# Altium PCB MAIN_BOARD.PcbDoc (part 4 of 4) (continued)
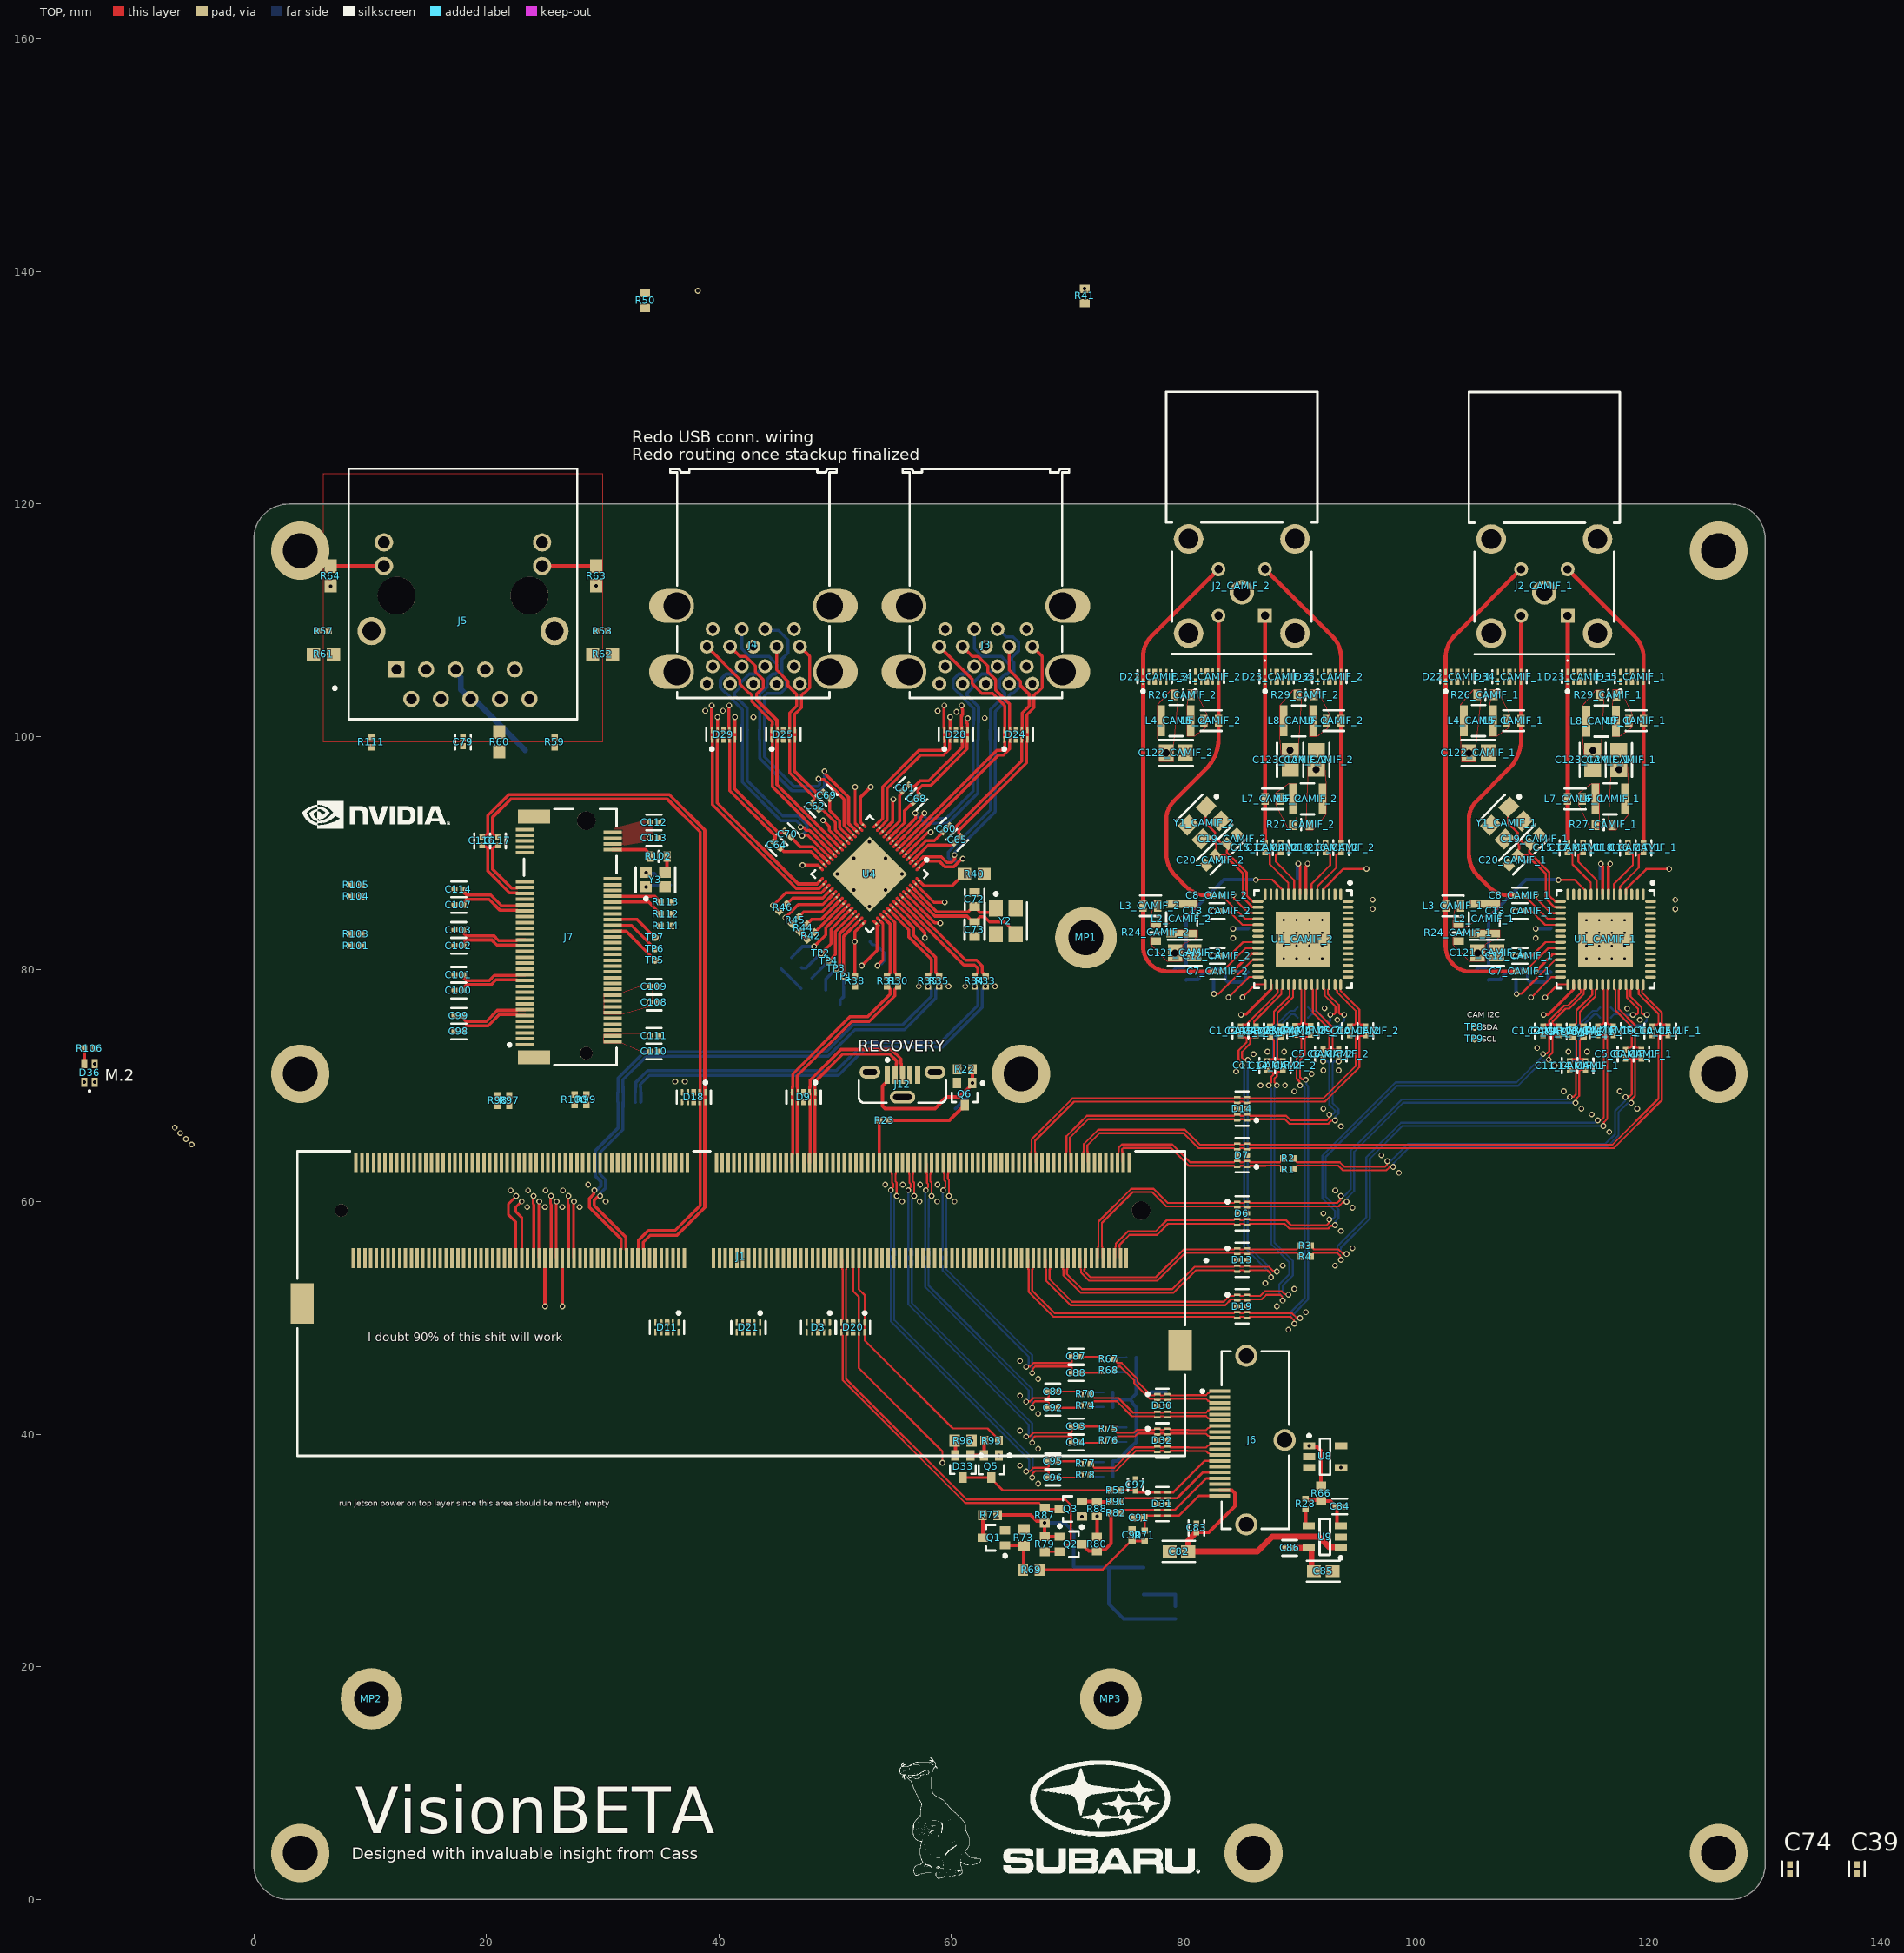
[diagram p0: TOP view]
## Nets (pads, with @x,y where several pads share a name; then routed paths per layer and width w, separated by ;. In a path a pad name is that pad's centre, name@x,y a point inside that pad or via, vN(x,y) a via of type N, cw(c..) or ccw(c..) an arc to the next point about the centre after c; other vN are vias at no path point) (continued)
USB2_TX_N: C62.2 D25.4 D25.7 J4.A8 | length 15.4
  TOP w0.266: J4.A8@44.975,107.747 44.975,105.727 45.932,104.771 45.932,104.409 46.71,103.631 46.71,102.647 46.103,102.04 46.103,101.043 46.083,101.023 46.083,100.628 D25.7@46.05,100.594 D25.4@46.05,99.759 46.083,99.726 46.083,99.331 46.103,99.311 46.103,96.884 48.189,94.798 48.189,94.577 48.036,94.424 48.036,94.279 C62.2@48.06,94.255
USB2_TX_P: C69.2 D25.5 D25.6 J4.A9 | length 15.1
  TOP w0.266: J4.A9@46.975,107.747 47.81,106.912 47.81,104.201 47.321,103.712 47.259,103.712 47.103,103.556 47.103,102.484 46.497,101.877 46.497,101.043 46.517,101.023 46.517,100.628 D25.6@46.55,100.594 D25.5@46.55,99.759 46.517,99.726 46.517,99.331 46.497,99.311 46.497,97.047 48.467,95.076 48.688,95.076 48.841,95.229 48.986,95.229 C69.2@49.01,95.205
USB2UP_N: R30.2 U4.46 | length 5.8
  TOP w0.266: U4.46@54.397,84.774 54.397,84.77 55.147,84.021 55.147,79.705 R30.2@55.425,79.427
USB2UP_P: R31.2 U4.45 | length 5.4
  TOP w0.266: U4.45@54.115,84.492 54.119,84.492 54.753,83.858 54.753,79.705 R31.2@54.475,79.427
USB3_RX_N: D29.1 D29.10 J4.B5 U4.30 | length 23.9
  TOP w0.266: v1(39.393,102.677) 39.36,102.644 39.36,100.751 39.4,100.71 39.4,99.813 39.453,99.759 39.453,94.149 46.663,86.939 48.621,86.939 49.002,87.32 U4.30@49.007,87.32
  GND/INT_SIG_1 w0.179: J4.B5@38.975,104.547 39.154,104.547 39.822,103.879 39.822,102.98 39.822,102.832 39.718,102.727 39.444,102.727 v1(39.393,102.677)
USB3_RX_P: D29.2 D29.9 J4.B6 U4.29 | length 22.7
  TOP w0.266: v1(39.893,101.677) 39.896,101.673 39.896,100.598 D29.9@39.9,100.594 39.9,99.813 39.847,99.759 39.847,94.312 46.826,87.332 48.458,87.332 48.724,87.598 U4.29@48.724,87.603
  GND/INT_SIG_1 w0.179: v1(39.893,101.677) 39.843,101.727 39.843,102.421 40.128,102.705 40.128,103.107 40.128,103.879 40.796,104.547 J4.B6@40.975,104.547
USB3_TX_N: C64.2 D29.4 D29.7 J4.B8 | length 20
  TOP w0.266: v1(40.893,102.677) 40.86,102.644 40.86,100.751 40.9,100.71 40.9,99.813 40.953,99.759 40.953,95.357 44.847,91.463 44.847,91.242 44.695,91.09 44.695,90.944 C64.2@44.718,90.92
  GND/INT_SIG_1 w0.179: v1(40.893,102.677) 40.967,102.677 41.158,102.486 41.306,102.486 41.457,102.637 44.616,102.637 45.636,103.657 45.636,103.736 45.637,103.737 45.637,103.885 J4.B8@44.975,104.547
USB3_TX_P: C70.2 D29.5 D29.6 J4.B9 | length 19.4
  TOP w0.266: v1(41.393,101.677) 41.396,101.673 41.396,100.598 D29.6@41.4,100.594 41.4,99.813 41.347,99.759 41.347,95.52 45.126,91.741 45.346,91.741 45.499,91.894 45.645,91.894 C70.2@45.668,91.87
  GND/INT_SIG_1 w0.179: v1(41.393,101.677) 41.343,101.727 41.343,102.09 41.584,102.331 44.742,102.331 46.699,104.288 46.699,104.547 J4.B9@46.975,104.547
USB3UP_RX_N: R33.2 U4.51 | length 10.3
  TOP w0.266: U4.51@55.803,86.197 55.803,86.192 61.234,80.761 62.158,80.761 62.672,80.248 62.672,79.705 R33.2@62.95,79.427
USB3UP_RX_P: R34.2 U4.50 | length 9.9
  TOP w0.266: U4.50@55.521,85.914 55.525,85.914 61.071,80.368 61.995,80.368 62.278,80.085 62.278,79.705 R34.2@62,79.427
USB3UP_TX_N: C39.1 U4.48 | length 7.6
  TOP w0.266: U4.48@54.963,85.34 54.963,85.336 56.736,83.563 56.736,82.937 58.672,81.001 58.672,79.705 58.95,79.427
USB3UP_TX_P: C74.1 U4.47 | length 7.2
  TOP w0.266: U4.47@54.68,85.057 54.685,85.057 56.342,83.4 56.342,82.774 58.278,80.838 58.278,79.705 58,79.427
USB_1V2: C44.2 C45.2 C46.2 C47.2 C48.2 C50.2 C51.2 C54.2 C77.1 U4.5 U4.12 U4.15 U4.21 U4.28 U4.33 U4.43 U4.49 U7.2 U7.4 | length 66.5
  TOP w0.266: v1(45.716,84.433) 46.834,85.552 48.936,85.552 U4.33@49.855,86.472 ; v1(47.2,88.952) 48.523,88.952 U4.28@48.732,88.743 ; v1(48.975,92.802) 48.984,92.802 49.5,92.286 49.5,91.935 U4.21@50.704,90.731 ; v1(52.3,80.31) 53.626,81.636 53.626,83.849 U4.43@53.549,83.926 ; U4.15@52.401,92.428 52.175,92.654 52.175,94.765 v1(53.075,95.665) ; U4.12@54.106,91.854 54.972,92.72 54.972,94.557 v1(55.017,94.602) ; U4.49@55.246,85.623 57.725,83.144 v1(57.725,82.702) ; U4.5@56.095,89.882 57.945,91.732 58.18,91.732 v1(58.225,91.777)
  GND/INT_SIG_2 w0.5: v1(45.716,84.433) 45.716,87.468 v1(47.2,88.952) 48.975,90.727 v1(48.975,92.802) 53.525,92.802 55.017,94.293 ; v1(52.3,80.31) 54.692,82.702 v1(57.725,82.702) 58.225,83.202 v1(58.225,91.777) 57.225,91.777 55.017,93.985 55.017,94.293 ; v1(53.075,95.665) 53.953,95.665 v1(55.017,94.602) 55.017,94.293
USB_ATEST: R39.2 U4.52 | length 4
  TOP w0.266: U4.52@56.086,86.48 58.57,83.997 59.005,83.997 v1(59.05,83.952)
USB_CFG_CHG_EN: R49.1 TP3.1 U4.40 | length 7.4
  TOP w0.266: v1(50.1,80.052) 50.1,80.093 50.382,80.375 50.382,83.038 U4.40@51.844,84.5
  BOTTOM w0.266: R49.1@49.196,78.198 49.194,78.2 49.194,78.688 49.196,78.69 49.196,79.148 v1(50.1,80.052)
USB_CFG_NON_REM: R47.2 TP1.1 U4.41 | length 8
  TOP w0.266: v1(50.75,79.402) 50.75,82.841 U4.41@52.126,84.217
  BOTTOM w0.266: R47.2@50.446,76.948 50.446,77.346 50.75,77.649 v1(50.75,79.402)
USB_nRESET: R37.1 R38.1 U4.42 | length 4.8
  TOP w0.266: R38.1@51.7,79.402 51.7,83.225 U4.42@52.409,83.934
  other v1: 51.7,82.377
USB_nRST: R38.2
USB_PRT_CTL1: R42.1 U4.36 | length 3.5
  TOP w0.266: R42.1@48.247,83.182 48.263,83.182 U4.36@50.712,85.631
USB_PRT_CTL2: R44.1 U4.35 | length 3.7
  TOP w0.266: R44.1@47.579,83.864 48.017,84.302 48.817,84.302 U4.35@50.421,85.906
USB_PRT_CTL3: R45.1 U4.34 | length 3.9
  TOP w0.266: R45.1@46.904,84.539 47.293,84.928 48.877,84.928 U4.34@50.138,86.189
USB_PRT_CTL4: R46.1 U4.32 | length 4.2
  TOP w0.266: R46.1@45.836,85.604 46.359,86.127 48.945,86.127 U4.32@49.573,86.754
USB_RBIAS: R40.1 U4.56 | length 4.5
  TOP w0.266: U4.56@57.218,87.611 57.652,87.177 60.075,87.177 61.075,88.177 R40.1@61.125,88.177
USB_SPI_MISO: R51.1 TP4.1 U4.39 | length 7
  TOP w0.266: v1(49.45,80.702) 50.014,81.266 50.014,83.236 U4.39@51.561,84.783
  BOTTOM w0.266: R51.1@48,79.252 v1(49.45,80.702)
USB_SPI_SCLK: R48.1 TP2.1 U4.38 | length 7
  TOP w0.266: v1(48.8,81.352) 49.646,82.198 49.646,83.433 U4.38@51.278,85.066
  BOTTOM w0.266: R48.1@47.125,80.127 47.16,80.092 47.502,80.092 48.763,81.352 v1(48.8,81.352)
USBH0_D_N: D26.1 D26.10 J3.A2 U4.2 | length 27.8
  TOP w0.266: U4.2@56.943,89.034 56.948,89.034 57.589,89.674 59.132,89.674 59.613,89.194 60.047,89.194 60.285,89.431 60.285,89.817 v1(60.275,89.827)
  BOTTOM w0.266: v1(60.275,89.827) 60.32,89.872 60.32,90.089 63.772,93.541 63.772,99.311 63.792,99.331 63.792,99.726 D26.1@63.825,99.759 D26.10@63.825,100.594 63.792,100.628 63.792,101.023 63.772,101.043 63.772,102.163 64.976,103.367 64.976,103.556 65.132,103.712 65.321,103.712 65.81,104.201 65.81,104.893 65.378,105.325 65.378,106.381 65.194,106.565 65.194,106.785 65.81,107.401 65.81,108.093 65.321,108.582 64.724,108.582 64.058,109.247 J3.A2@63.975,109.247
USBH0_D_P: D26.2 D26.9 J3.A3 U4.1 | length 30.5
  TOP w0.266: U4.1@57.226,88.751 57.226,88.755 57.751,89.281 58.969,89.281 59.45,88.8 60.21,88.8 60.686,89.276 60.912,89.502 v1(60.975,89.502)
  BOTTOM w0.266: v1(60.975,89.502) 60.912,89.502 60.704,89.294 60.054,89.294 59.742,89.606 59.742,90.068 63.378,93.704 63.378,99.311 63.358,99.331 63.358,99.726 D26.2@63.325,99.759 D26.9@63.325,100.594 63.358,100.628 63.358,101.023 63.378,101.043 63.378,102.326 64.582,103.53 64.582,103.759 64.14,104.201 64.14,104.893 64.629,105.382 64.828,105.382 64.985,105.538 64.985,106.218 64.801,106.402 64.801,106.409 64.297,106.912 62.629,106.912 61.975,107.566 J3.A3@61.975,109.247
USBH1_D_N: D26.4 D26.7 J3.B2 U4.9 | length 22.9
  TOP w0.266: U4.9@54.955,91.005 55.037,91.088 55.043,91.088 56.664,92.709 56.948,92.993 56.948,93.214 56.945,93.217 56.945,93.382 v1(56.9,93.427)
  BOTTOM w0.266: v1(56.9,93.427) 56.9,93.364 57.714,92.55 59.681,92.55 62.272,95.14 62.272,99.311 62.292,99.331 62.292,99.726 D26.4@62.325,99.759 D26.7@62.325,100.594 62.308,100.611 62.308,101.173 62.339,101.204 62.339,102.558 61.364,103.534 61.364,103.755 61.81,104.201 61.81,104.562 62.629,105.382 63.226,105.382 63.892,106.047 J3.B2@63.975,106.047
USBH1_D_P: D26.5 D26.6 J3.B3 U4.8 | length 22
  TOP w0.266: U4.8@55.24,90.722 55.24,90.729 56.827,92.315 57.342,92.83 57.342,93.017 57.688,93.364 v1(57.688,93.427)
  BOTTOM w0.266: v1(57.688,93.427) 57.733,93.382 57.733,93.113 57.903,92.943 59.518,92.943 61.878,95.303 61.878,99.311 61.858,99.331 61.858,99.726 D26.5@61.825,99.759 D26.6@61.825,100.594 61.858,100.628 61.858,101.023 61.915,101.079 61.915,101.336 61.946,101.367 61.946,102.395 60.97,103.371 60.97,103.432 60.691,103.712 60.629,103.712 60.14,104.201 60.14,104.893 60.629,105.382 61.226,105.382 61.892,106.047 J3.B3@61.975,106.047
USBH2_D_N: D27.1 D27.10 J4.A2 U4.18 | length 27
  TOP w0.266: v1(48.569,96.377) 48.613,96.332 49.052,96.332 50.768,94.617 50.768,92.369 51.553,91.584 U4.18@51.553,91.579
  BOTTOM w0.266: J4.A2@43.975,109.247 44.075,109.147 45.128,109.147 45.95,108.325 45.95,107.2 45.41,106.66 45.41,105.931 45.42,105.921 45.42,105.283 45.81,104.893 45.81,104.201 45.321,103.712 44.629,103.712 44.624,103.717 44.152,103.717 43.922,103.487 43.922,101.043 43.942,101.023 43.942,100.628 D27.10@43.975,100.594 D27.1@43.975,99.759 43.942,99.726 43.942,98.258 46.473,95.727 48.52,95.727 48.676,95.883 48.676,96.104 48.613,96.167 48.613,96.332 v1(48.569,96.377)
USBH2_D_P: D27.2 D27.9 J4.A3 U4.17 | length 28.3
  TOP w0.266: 49.216,96.757 49.216,96.725 51.161,94.779 51.161,92.532 51.831,91.862 U4.17@51.835,91.862
  BOTTOM w0.266: J4.A3@41.975,109.247 41.975,107.566 42.629,106.912 44.297,106.912 44.801,106.409 44.801,106.402 45.016,106.186 45.016,105.768 45.026,105.759 45.026,105.538 44.87,105.382 44.629,105.382 44.14,104.893 44.14,104.262 43.528,103.65 43.528,101.043 43.508,101.023 43.508,100.628 D27.9@43.475,100.594 D27.2@43.475,99.759 43.508,99.726 43.508,98.202 43.548,98.161 43.548,98.095 46.31,95.334 48.683,95.334 49.102,95.752 49.102,97.025 v1(49.1,97.027)
USBH3_D_N: D27.4 D27.7 J4.B2 U4.25 | length 22.9
  TOP w0.266: v1(47.168,91.467) 47.212,91.512 47.377,91.512 47.411,91.545 47.632,91.545 49.581,89.596 U4.25@49.581,89.591
  BOTTOM w0.266: J4.B2@43.975,106.047 43.892,106.047 43.226,105.382 42.629,105.382 41.81,104.562 41.81,104.201 41.364,103.755 41.364,103.534 42.422,102.476 42.422,101.043 42.442,101.023 42.442,100.628 D27.7@42.475,100.594 42.442,100.561 42.442,99.912 42.422,99.892 42.422,99.759 42.422,96.253 45.5,93.175 46.833,93.175 47.578,92.431 47.578,91.94 47.168,91.53 v1(47.168,91.467)
USBH3_D_P: D27.5 D27.6 J4.B3 U4.24 | length 22.5
  TOP w0.266: v1(47.045,92.21) 47.089,92.165 47.287,92.165 47.513,91.938 47.795,91.938 49.859,89.874 U4.24@49.864,89.874
  BOTTOM w0.266: J4.B3@41.975,106.047 41.892,106.047 41.226,105.382 40.629,105.382 40.14,104.893 40.14,104.201 40.629,103.712 40.691,103.712 40.97,103.432 40.97,103.371 42.028,102.313 42.028,101.043 42.008,101.023 42.008,100.628 D27.6@41.975,100.594 42.008,100.561 42.008,99.912 42.028,99.892 42.028,99.759 42.028,96.09 45.337,92.782 46.67,92.782 47,92.452 47,92.254 v1(47.045,92.21)
USBSS0_RX_N: D16.1 D16.10 J1.161 R33.1 | length 35.7
  BOTTOM w0.266: D16.1@33.267,68.549 D16.1@33.3,68.582 D16.10@33.3,69.417 33.267,69.451 33.267,69.846 33.247,69.866 33.247,70.087 34.035,70.875 50.281,70.875 52.721,73.314 59.252,73.314 62.672,76.734 62.672,78.249 v1(62.95,78.527)
USBSS0_RX_P: D16.2 D16.9 J1.163 R34.1 | length 35.7
  BOTTOM w0.266: D16.2@32.833,68.549 D16.2@32.8,68.582 D16.9@32.8,69.417 32.833,69.451 32.833,69.846 32.853,69.866 32.853,70.25 33.872,71.268 50.118,71.268 52.558,73.708 59.089,73.708 62.278,76.897 62.278,78.249 v1(62,78.527)
USBSS0_TX_N: D16.4 D16.7 J1.166 R35.1 | length 48.8
  TOP w0.266: v1@29.649,60.419 29.573,60.419 29.279,60.125 29.279,59.677 31.997,56.96 31.997,55.928 32.05,55.875 J1.166@32.05,55.15
  BOTTOM w0.266: v1(29.8,60.5) 29.845,60.545 29.845,60.766 30.252,61.174 30.252,61.9 29.769,62.383 29.769,64.222 31.747,66.2 31.747,68.134 31.767,68.154 31.767,68.549 D16.4@31.8,68.582 D16.7@31.8,69.417 31.767,69.451 31.767,69.846 31.747,69.866 31.747,70.49 33.756,72.5 49.4,72.5 51.703,74.803 55.963,74.803 58.672,77.512 58.672,78.249 v1(58.95,78.527)
USBSS0_TX_P: D16.5 D16.6 J1.168 R36.1 | length 48.8
  TOP w0.266: 29.255,60.734 29.255,60.658 28.886,60.288 28.886,59.514 31.603,56.797 31.603,55.928 31.55,55.875 J1.168@31.55,55.15
  BOTTOM w0.266: v1(29.3,61) 29.345,61.045 29.566,61.045 29.859,61.337 29.859,61.737 29.376,62.22 29.376,64.385 31.353,66.363 31.353,68.134 31.333,68.154 31.333,68.549 D16.5@31.3,68.582 D16.6@31.3,69.417 31.333,69.451 31.333,69.846 31.353,69.866 31.353,70.653 33.593,72.893 49.237,72.893 51.54,75.196 55.8,75.196 58.278,77.675 58.278,78.249 v1(58,78.527)
VBUS_1: C49.1 C52.2 C53.2 J3.A1 J3.B1 U5.1
VBUS_2: C63.1 C66.2 C67.2 J4.A1 J4.B1 U6.1
VBUS_DET: R32.1 U4.37 | length 6.9
  TOP w0.266: v1(48.2,81.952) 49.2,82.952 49.2,83.553 U4.37@50.995,85.348
  BOTTOM w0.266: R32.1@46.25,81.002 47.2,81.952 v1(48.2,81.952)
VBUS_DETECT: J1.87 R23.2 | length 3.7
  TOP w0.266: J1.87@53.8,63.35 R23.2@53.8,67
VDD_3V3_HDMI: Q3.1 Q4.1 Q5.1 R66.2 R95.2 R96.2 U8.1 | length 40.9
  TOP w0.3: v1(90.775,39.025) 90.918,38.882 91.493,38.882 91.795,38.58 R66.2@91.795,35.55
  GND/INT_SIG_1 w0.3: v1(61.746,39.454) 62.821,39.454 v1(64.096,38.179) 64.096,36.304 67.475,32.925 v1(71.225,32.925) 72.25,33.95 85.7,33.95 v1(90.775,39.025)
  BOTTOM w0.3: Q4.1@77.162,43.625 77.175,43.638 78.47,43.638 R95.2@78.483,43.65
VDD_5V_HDMI: C82.1 C83.2 J6.18 R80.2 R88.2 U9.1 | length 24.8
  TOP w0.3: R80.2@72.525,31.175 v1(72.525,32.95) ; C83.2@81.075,31.583 82.158,31.583 84.4,33.825 84.4,34.949 84.139,35.21 J6.18@83.07,35.21
  TOP w0.5: C82.1@80.375,29.726 80.38,29.731 C82.1@80.38,29.925 ; C82.1@80.375,29.925 C82.1@80.38,29.925 ; C83.2@81.075,31.583 80.38,30.888 C82.1@80.38,29.925 ; U9.1@93.5,30.225 93.45,30.275 92.525,30.275 91.6,31.2 87.6,31.2 86.325,29.925 C82.1@80.38,29.925
X25_CAMIF_1_N: C20_CAMIF_1.1 U1_CAMIF_1.16 Y1_CAMIF_1.3 | length 9.2
  TOP w0.2: Y1_CAMIF_1.3@107.592,91.188 107.607,91.204 108.315,91.204 108.828,90.69 108.828,90.347 108.715,90.233 108.715,89.845 C20_CAMIF_1.1@108.768,89.792 108.821,89.739 109.21,89.739 109.318,89.846 109.484,89.846 111.119,88.211 111.119,86.117 111.909,85.327 112.384,85.327 U1_CAMIF_1.16@112.394,85.317
X25_CAMIF_1_P: C19_CAMIF_1.1 U1_CAMIF_1.15 Y1_CAMIF_1.1 | length 10.7
  TOP w0.2: Y1_CAMIF_1.1@107.946,93.946 107.875,93.875 107.875,92.579 108.715,91.738 108.715,91.319 109.214,90.821 109.717,90.821 C19_CAMIF_1.1@109.77,90.768 109.823,90.715 109.823,90.326 109.71,90.213 109.71,90.047 111.421,88.336 111.421,86.332 111.926,85.827 112.384,85.827 U1_CAMIF_1.15@112.394,85.817
X25_CAMIF_2_N: C20_CAMIF_2.1 U1_CAMIF_2.16 Y1_CAMIF_2.3 | length 9.2
  TOP w0.2: Y1_CAMIF_2.3@81.568,91.196 81.583,91.211 82.29,91.211 82.804,90.698 82.804,90.354 82.691,90.241 82.691,89.852 C20_CAMIF_2.1@82.744,89.799 82.797,89.746 83.186,89.746 83.294,89.854 83.46,89.854 85.095,88.219 85.095,86.125 85.885,85.335 86.36,85.335 U1_CAMIF_2.16@86.37,85.325
X25_CAMIF_2_P: C19_CAMIF_2.1 U1_CAMIF_2.15 Y1_CAMIF_2.1 | length 10.7
  TOP w0.2: Y1_CAMIF_2.1@81.921,93.954 81.851,93.883 81.851,92.586 82.691,91.746 82.691,91.327 83.189,90.829 83.692,90.829 C19_CAMIF_2.1@83.745,90.776 83.798,90.723 83.798,90.334 83.685,90.221 83.685,90.055 85.396,88.344 85.396,86.34 85.901,85.835 86.36,85.835 U1_CAMIF_2.15@86.37,85.825
X25_N: C73.1 U4.53 Y2.3 | length 11.3
  TOP w0.266: U4.53@56.369,86.763 56.392,86.763 58.587,84.568 60.685,84.568 61.357,84.568 61.925,84 62.075,84 62.317,84.242 62.317,84.36 62.473,84.516 62.833,84.516 63.297,84.052 64.606,84.052 65.533,83.125 Y2.3@65.533,83.025
X25_P: C72.1 U4.54 Y2.1 | length 8.7
  TOP w0.266: U4.54@56.652,87.045 56.726,86.971 56.726,86.949 58.739,84.936 60.838,84.936 61.461,84.936 61.925,85.4 62.075,85.4 62.317,85.158 62.317,85.04 62.473,84.884 62.986,84.884 62.989,84.881 63.488,84.881 Y2.1@63.833,85.225
XRES_CAMIF_1: R20_CAMIF_1.2 U1_CAMIF_1.17 | length 2.9
  TOP w0.168: v1(110.269,86.367) 110.333,86.304 110.333,86.079 111.594,84.817 U1_CAMIF_1.17@112.394,84.817
XRES_CAMIF_2: R20_CAMIF_2.2 U1_CAMIF_2.17 | length 2.9
  TOP w0.168: v1(84.245,86.375) 84.308,86.311 84.308,86.086 85.57,84.825 U1_CAMIF_2.17@86.37,84.825
pads on no net: D22_CAMIF_1.2 D22_CAMIF_1.4 D22_CAMIF_1.7 D22_CAMIF_1.9 D22_CAMIF_2.2 D22_CAMIF_2.4 D22_CAMIF_2.7 D22_CAMIF_2.9 D23_CAMIF_1.2 D23_CAMIF_1.4 D23_CAMIF_1.5 D23_CAMIF_1.6 D23_CAMIF_1.7 D23_CAMIF_1.9 D23_CAMIF_2.2 D23_CAMIF_2.4 D23_CAMIF_2.5 D23_CAMIF_2.6 D23_CAMIF_2.7 D23_CAMIF_2.9 D34_CAMIF_1.1 D34_CAMIF_1.2 D34_CAMIF_1.4 D34_CAMIF_1.7 D34_CAMIF_1.9 D34_CAMIF_1.10 D34_CAMIF_2.1 D34_CAMIF_2.2 D34_CAMIF_2.4 D34_CAMIF_2.7 D34_CAMIF_2.9 D34_CAMIF_2.10 D35_CAMIF_1.1 D35_CAMIF_1.2 D35_CAMIF_1.4 D35_CAMIF_1.7 D35_CAMIF_1.9 D35_CAMIF_1.10 D35_CAMIF_2.1 D35_CAMIF_2.2 D35_CAMIF_2.4 D35_CAMIF_2.7 D35_CAMIF_2.9 D35_CAMIF_2.10 J1. J1.9 J1.11 J1.27 J1.29 J1.39 J1.40 J1.41 J1.42 J1.45 J1.46 J1.47 J1.48 J1.51 J1.52 J1.53 J1.54 J1.57 J1.58 J1.59 J1.60 J1.64 J1.66 J1.70 J1.72 J1.76 J1.78 J1.82 J1.84 J1.88 J1.90 J1.92 J1.99 J1.101 J1.103 J1.105 J1.114 J1.118 J1.121 J1.122 J1.123 J1.124 J1.126 J1.127 J1.128 J1.130 J1.167 J1.169 J1.172 J1.173 J1.174 J1.175 J1.182 J1.183 J1.189 J1.191 J1.203 J1.205 J1.206 J1.207 J1.209 J1.212 J1.216 J1.217 J1.218 J1.219 J1.220 J1.221 J1.222 J1.223 J1.224 J1.225 J1.226 J1.227 J1.228 J1.229 J1.232 J1.234 J1.235 J1.236 J1.238 J1.240 J5. J6.14 J7. J7.6 J7.8 J7.20 J7.22 J7.24 J7.26 J7.28 J7.30 J7.32 J7.34 J7.36 J7.38 J7.46 J7.48 J7.54 J7.56 J7.58 J7.67 J7.69 J12.4 R114.1 U1_CAMIF_1.1 U1_CAMIF_1.2 U1_CAMIF_1.3 U1_CAMIF_1.12 U1_CAMIF_1.13 U1_CAMIF_1.14 U1_CAMIF_1.26 U1_CAMIF_1.27 U1_CAMIF_1.43 U1_CAMIF_1.44 U1_CAMIF_1.45 U1_CAMIF_1.46 U1_CAMIF_1.47 U1_CAMIF_1.48 U1_CAMIF_1.49 U1_CAMIF_1.50 U1_CAMIF_1.51 U1_CAMIF_1.52 U1_CAMIF_1.53 U1_CAMIF_1.54 U1_CAMIF_2.1 U1_CAMIF_2.2 U1_CAMIF_2.3 U1_CAMIF_2.12 U1_CAMIF_2.13 U1_CAMIF_2.14 U1_CAMIF_2.26 U1_CAMIF_2.27 U1_CAMIF_2.43 U1_CAMIF_2.44 U1_CAMIF_2.45 U1_CAMIF_2.46 U1_CAMIF_2.47 U1_CAMIF_2.48 U1_CAMIF_2.49 U1_CAMIF_2.50 U1_CAMIF_2.51 U1_CAMIF_2.52 U1_CAMIF_2.53 U1_CAMIF_2.54 U8.3
copper on no net:
  other v1: 89,49 90.5,50.5 88,51 89.5,52.5 87,53 88.5,54.5 -5.35,64.925 -5.825,65.4 -6.325,65.9 -6.792,66.373

## Polygon pours and split planes (outlines as drawn)
3V3 on TOP "3V3_L01_P074" (solid, pour order 74): 30.1,74.42 31.65,74.42 33.786,74.506 34.325,74.506 34.325,72.686 34.328,72.683 33.786,72.683 31.65,73.62 30.1,73.62
3V3 on TOP "3V3_L01_P073" (solid, pour order 73): 30.1,76.12 30.105,76.125 31.65,76.12 34.34,76.903 34.34,78.717 33.8,78.717 31.65,77.92 30.1,77.92
3V3 on TOP "3V3_L01_P072" (solid, pour order 72): 30.1,91.92 30.1,90.62 31.65,90.62 34.328,91.039 34.328,92.861 33.789,92.861
NetL4_CAMIF_2_2 on TOP "NETL4_CAMIF_2_2_L01_P054" (solid, pour order 54): 80.318,104.036 80.318,103.136 80.268,102.7 80.268,100.05 80.918,100.05 82.033,100.865 82.033,101.885 80.968,104.036
PoC_PWR_CAMIF_2 on TOP "POC_PWR_CAMIF_2_L01_P056" (solid, pour order 56): 79.121,97.872 79.121,99.328 79.518,103.136 79.518,104.036 78.868,104.036 77.728,102.7 77.728,100.05 77.867,97.872
PoC_PWR_CAMIF_2 on TOP "POC_PWR_CAMIF_2_L01_P058" (solid, pour order 58): 90.07,104.025 90.07,103.125 89.871,99.452 89.871,98.197 88.415,98.197 88.275,100.025 88.275,102.675 89.42,104.025
NetL8_CAMIF_2_2 on TOP "NETL8_CAMIF_2_2_L01_P060" (solid, pour order 60): 90.87,104.025 90.87,103.125 90.815,102.675 90.815,100.025 91.465,100.025 92.57,100.865 92.57,101.885 91.52,104.025
NetL6_CAMIF_2_2 on TOP "NETL6_CAMIF_2_2_L01_P062" (solid, pour order 62): 87.933,95.16 89.048,95.975 89.698,95.975 89.698,93.325 89.693,92.875 89.693,91.975 89.043,91.975 87.933,94.14
PoC_PWR_CAMIF_2 on TOP "POC_PWR_CAMIF_2_L01_P064" (solid, pour order 64): 90.493,91.975 91.143,91.975 92.238,93.325 92.238,95.975 92.121,97.8 90.665,97.8 90.665,96.545 90.493,92.875
NetL2_CAMIF_2_2 on TOP "NETL2_CAMIF_2_2_L01_P066" (solid, pour order 66): 77.445,85.96 78.085,85.96 78.495,85.92 81.145,85.92 81.145,85.27 78.045,83.55 77.145,83.55 77.145,84.2
PoC_PWR_CAMIF_2 on TOP "POC_PWR_CAMIF_2_L01_P068" (solid, pour order 68): 77.145,82.75 78.495,83.38 81.145,83.38 81.145,82.73 79.871,82.128 79.871,80.672 78.573,80.672 77.145,82.1
ETH_GND on TOP "ETH_GND_L01_P052" (solid, pour order 52): 30,99.542 6,99.542 6,122.642 30,122.642
PoC_PWR_CAMIF_1 on TOP "POC_PWR_CAMIF_1_L01_P067" (solid, pour order 67): 103.169,82.742 104.519,83.372 107.169,83.372 107.169,82.722 105.895,82.12 105.895,80.664 104.597,80.664 103.169,82.092
NetL2_CAMIF_1_2 on TOP "NETL2_CAMIF_1_2_L01_P065" (solid, pour order 65): 103.469,85.952 104.109,85.952 104.519,85.912 107.169,85.912 107.169,85.262 104.069,83.542 103.169,83.542 103.169,84.192
PoC_PWR_CAMIF_1 on TOP "POC_PWR_CAMIF_1_L01_P063" (solid, pour order 63): 116.518,91.967 117.168,91.967 118.263,93.317 118.263,95.967 118.146,97.792 116.689,97.792 116.689,96.538 116.518,92.867
NetL6_CAMIF_1_2 on TOP "NETL6_CAMIF_1_2_L01_P061" (solid, pour order 61): 113.958,95.152 115.073,95.967 115.723,95.967 115.723,93.317 115.718,92.867 115.718,91.967 115.068,91.967 113.958,94.132
NetL8_CAMIF_1_2 on TOP "NETL8_CAMIF_1_2_L01_P059" (solid, pour order 59): 116.894,104.017 116.894,103.117 116.839,102.667 116.839,100.017 117.489,100.017 118.594,100.857 118.594,101.877 117.544,104.017
PoC_PWR_CAMIF_1 on TOP "POC_PWR_CAMIF_1_L01_P057" (solid, pour order 57): 116.094,104.017 116.094,103.117 115.896,99.444 115.896,98.189 114.439,98.189 114.299,100.017 114.299,102.667 115.444,104.017
PoC_PWR_CAMIF_1 on TOP "POC_PWR_CAMIF_1_L01_P055" (solid, pour order 55): 105.145,97.864 105.145,99.32 105.543,103.129 105.543,104.029 104.893,104.029 103.753,102.692 103.753,100.042 103.891,97.864
NetL4_CAMIF_1_2 on TOP "NETL4_CAMIF_1_2_L01_P053" (solid, pour order 53): 106.343,104.029 106.343,103.129 106.293,102.692 106.293,100.042 106.943,100.042 108.058,100.857 108.058,101.877 106.993,104.029
no net on BOTTOM "NONET_L04_P071" (solid, pour order 71): 30,99.542 6,99.542 6,122.642 30,122.642
no net on GND/INT_SIG_1 "NONET_L02_P069" (solid, pour order 69): 30,99.542 6,99.542 6,122.642 30,122.642
no net on GND/INT_SIG_2 "NONET_L03_P070" (solid, pour order 70): 30,99.542 6,99.542 6,122.642 30,122.642

## Other copper
TOP:
  pour cut-out: 105.207,92.33 107.994,95.117 108.044,95.117 111.774,91.492 107.774,87.492
  pour cut-out: 79.182,92.338 81.97,95.125 82.02,95.125 85.75,91.5 81.75,87.5
  pour cut-out: 61,82 66.75,82 66.75,87.5 61,87.5
GND/INT_SIG_1:
  pour cut-out: 105.207,92.33 107.994,95.117 108.044,95.117 111.774,91.492 107.774,87.492
  pour cut-out: 79.182,92.338 81.97,95.125 82.02,95.125 85.75,91.5 81.75,87.5
  pour cut-out: 61,82 66.75,82 66.75,87.5 61,87.5
GND/INT_SIG_2:
  pour cut-out: 105.207,92.33 107.994,95.117 108.044,95.117 111.774,91.492 107.774,87.492
  pour cut-out: 79.182,92.338 81.97,95.125 82.02,95.125 85.75,91.5 81.75,87.5
  pour cut-out: 61,82 66.75,82 66.75,87.5 61,87.5
BOTTOM:
  pour cut-out: 105.207,92.33 107.994,95.117 108.044,95.117 111.774,91.492 107.774,87.492
  pour cut-out: 79.182,92.338 81.97,95.125 82.02,95.125 85.75,91.5 81.75,87.5
  pour cut-out: 61,82 66.75,82 66.75,87.5 61,87.5

## Silkscreen, mask and mechanical layers (free items; w line width, h text height)
Top Overlay:
  drawing of 38 lines, arcs and shapes, not listed
  text "Redo USB conn. wiring / Redo routing once stackup finalized" at 32.525,123.775 h1
  text "CAM I2C" at 104.35,75.85 h0.5
  text "SDA" at 105.625,74.75 h0.5
  text "SCL" at 105.625,73.75 h0.5
  text "RECOVERY" at 51.968,72.925 h1
  text "M.2" at -12.8,70.375 h1
  text "I doubt 90% of this shit will work" at 9.8,48 h0.75
  text "run jetson power on top layer since this area should be mostly empty" at 7.35,33.85 h0.5
  text "VisionBETA" at 8.709,5.675 h4
  text "Designed with invaluable insight from Cass" at 8.409,3.458 h1
Bottom Overlay:
  drawing of 6 lines, arcs and shapes, not listed
  text "HDMI I/O / VOLTAGE / JUMP." at 100.4,23.675 h1
  text "1V8 / 3V3" at 84.075,23.65 h1
  text "Proudly designed on company time" at 121.775,2.883 h1
Mechanical 1:
  the board outline again, w0.254
  text "impedance re-routing: / m.2 ok / eth ok / usb ok, no pwr / cams ok / hdmi ok but i2c is marked as diff, could be bad - check /  / CHECK PAIR SKEW SPECS" at 152.8,91.075 h1.52
  text "USING JLC04161H-7628" at 3.679,-2.346 h1.52